# KiCad board mppt.kicad_pcb
title: Sunscatter MPPT; date: 2023-07-22; rev: v0.2.0; company: UT LHR Solar; note: Matthew Yu; note: Jacob Pustilnik; note: Gary Hallock; note: Pranav Rama
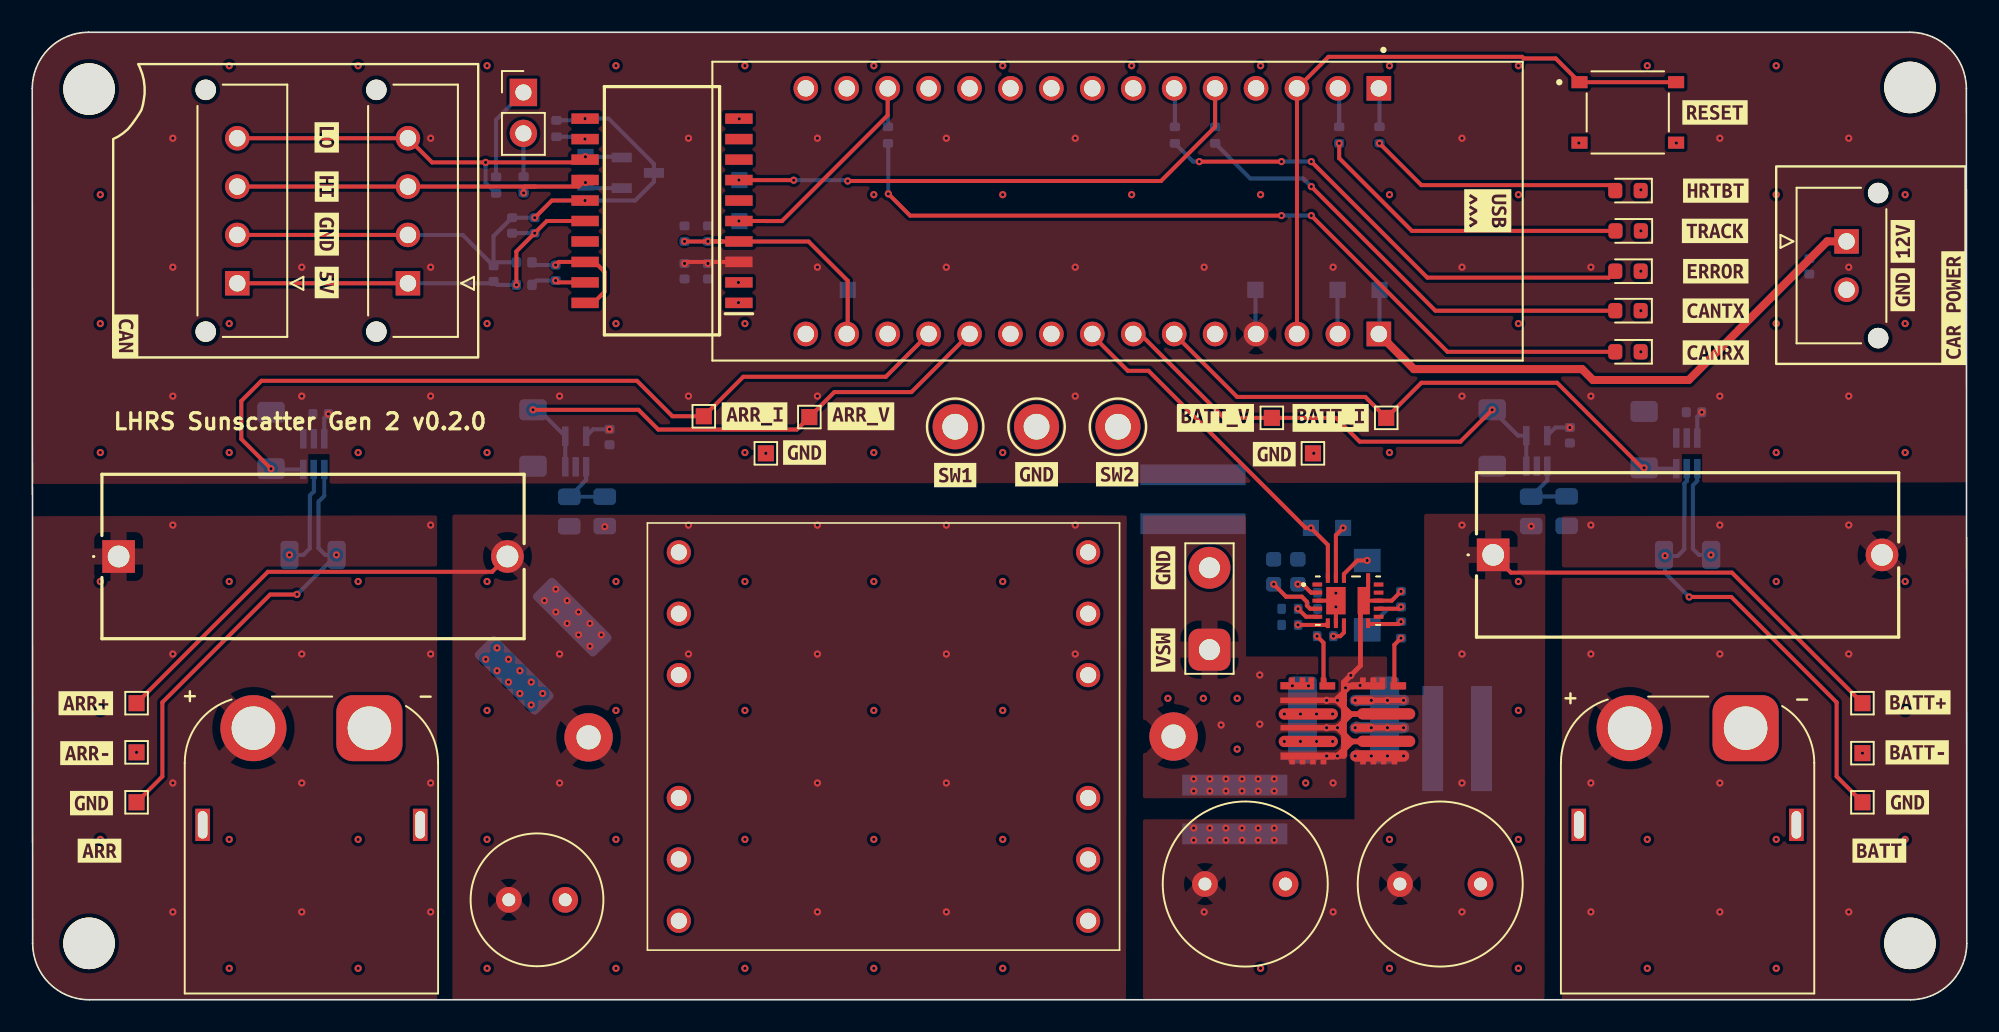
[diagram p0: board, top side]
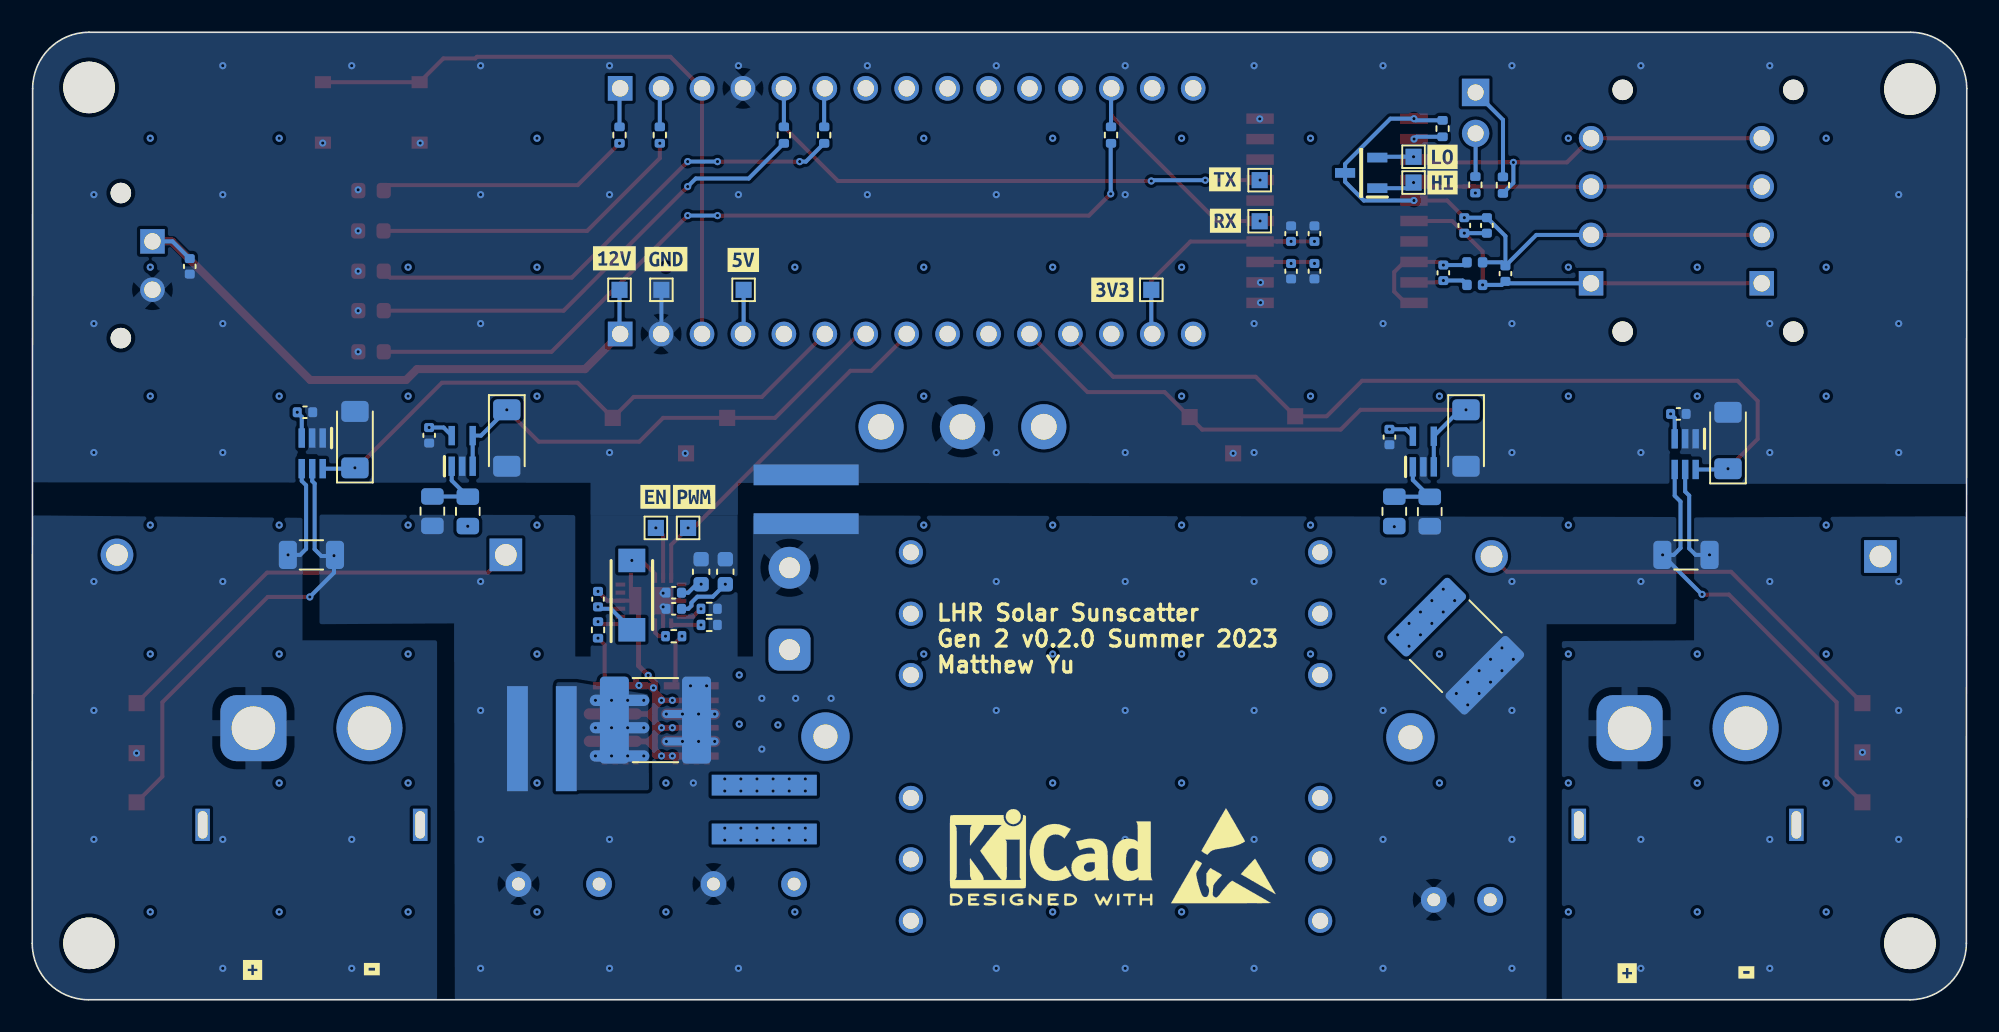
[diagram p1: board, bottom side, seen from below]

Outline 120.05 x 60.03 mm; copper layers: Top, In1.Cu, In2.Cu, Bottom. Coordinates in mm from the lower left corner of the outline.
Outline path: 0,56.53 0.03,3.5 arc(1.05,1.03) 3.53,0 116.55,0 arc(119.03,1.03) 120.05,3.5 120.03,56.53 arc(119,59) 116.53,60.03 3.5,60.03 arc(1.03,59) 0,56.53
Stack: Top 0.035mm / dielectric 0.1mm FR4 er 4.5 / In1.Cu 0.035mm / dielectric 1.24mm FR4 er 4.5 / In2.Cu 0.035mm / dielectric 0.1mm FR4 er 4.5 / Bottom 0.035mm

## Placement (name value [footprint] x y rotation side)
C201  100nF  [C_0402_1005Metric]  110.28 45.5 270 bottom
C301  2.2uF  [C_2220_5650Metric]  31.71 21.93 225 bottom
C302  15uF  [C_Radial_D8.0mm_H11.5mm_P3.50mm]  29.58 6.2 0 top
C303  2.2uF  [C_2220_5650Metric]  81.38 17.35 180 bottom
C304  18uF  [C_Radial_D10.0mm_H16.0mm_P5.00mm]  72.78 7.18 0 top
C305  18uF  [C_Radial_D10.0mm_H16.0mm_P5.00mm]  84.88 7.18 0 top
C401  100nF  [C_0402_1005Metric]  17.9 36.34 0 bottom
C402  100nF  [C_0402_1005Metric]  35.83 34.91 90 bottom
C403  100nF  [C_0402_1005Metric]  95.42 35.02 90 bottom
C404  100nF  [C_0402_1005Metric]  103.13 36.45 0 bottom
C501  10uF  [C_0603_1608Metric]  77.04 26.56 90 bottom
C502  100nF  [C_0402_1005Metric]  80.24 24.25 0 bottom
C503  10uF  [C_0603_1608Metric]  78.54 26.56 90 bottom
C504  100nF  [C_0402_1005Metric]  80.24 25.25 0 bottom
C505  1uF  [C_0402_1005Metric]  84.94 24.86 90 bottom
C601  10uF  [C_0402_1005Metric]  40.48 45.2 270 bottom
C602  100nF  [C_0402_1005Metric]  41.93 45.2 270 bottom
C603  100nF  [C_0402_1005Metric]  40.48 47.53 90 bottom
C604  10nF  [C_0402_1005Metric]  41.93 47.53 90 bottom
C605  220nF  [C_0402_1005Metric]  32.48 45.1 90 bottom
C606  10uF  [C_0402_1005Metric]  28.63 45.05 90 bottom
C607  10nF  [C_0402_1005Metric]  31.18 48.04 90 bottom
C608  100nF  [C_0402_1005Metric]  29.78 48.04 90 bottom
D201  YELLOW  [LED_0603_1608Metric]  99.03 45.2 180 top
D202  GREEN  [LED_0603_1608Metric]  99.04 47.7 180 top
D203  GREEN  [LED_0603_1608Metric]  99.03 50.2 180 top
D204  BLUE  [LED_0603_1608Metric]  99.03 42.75 180 top
D205  BLUE  [LED_0603_1608Metric]  99.03 40.2 180 top
D401  3.3V Zener  [D_MiniMELF]  14.82 34.69 90 bottom
D402  3V3  [D_MiniMELF]  31.08 34.85 270 bottom
D403  3V3  [D_MiniMELF]  90.6 34.85 270 bottom
D404  3.3V Zener  [D_MiniMELF]  100.03 34.75 90 bottom
D501  0.62V  [stm_STPS1170AF]  82.84 25.11 90 bottom
D601  CDSOT23-T24CAN  [bourns_CDSOT23_T24CAN]  37.58 51.3 0 bottom
F301  Fuse_Small  [littelfuse_05200101Z]  5.36 27.5 0 top
F302  Fuse_Small  [littelfuse_05200101Z]  90.66 27.6 0 top
H101  M3 Mounting Hole  [MountingHole_3.2mm_M3]  116.53 3.5 0 top
H102  M3 Mounting Hole  [MountingHole_3.2mm_M3]  3.53 3.5 0 top
H103  M3 Mounting Hole  [MountingHole_3.2mm_M3]  3.53 56.5 0 top
H104  M3 Mounting Hole  [MountingHole_3.2mm_M3]  116.53 56.6 0 top
IC401  INA210CQDCKRQ1  [ti_INA210CQDCKRQ1]  17.48 33.85 270 bottom
IC402  OPA990IDCKR  [ti_OPA990IDCKR]  33.73 34.01 90 bottom
IC403  OPA990IDCKR  [ti_OPA990IDCKR]  93.37 34.05 90 bottom
IC404  INA210CQDCKRQ1  [ti_INA210CQDCKRQ1]  102.68 33.9 270 bottom
IC501  LMG1210RVRT  [ti_LMG1210RVRT]  81.65 24.76 0 top
IC601  ADM3055EBRIZ  [analog_ADM3055EBRIZ]  39.08 48.95 180 top
J201  43650-0227  [molex_microfit_43650_0227]  112.59 47.05 90 top
J301  XT60PW-M  [AMASS_XT60PW-M_1x02_P7.20mm_Horizontal]  20.93 16.85 180 top
J302  XT60PW-M  [AMASS_XT60PW-M_1x02_P7.20mm_Horizontal]  106.33 16.85 180 top
J601  43650-0427  [molex_microfit_43650_0427]  12.73 44.45 270 top
J602  43650-0427  [molex_microfit_43650_0427]  23.32 44.45 270 top
JP601  Termination Resistors  [PinHeader_1x02_P2.54mm_Vertical]  30.48 56.29 0 top
kibuzzard-64BB95E9  G***  [kibuzzard-64BB95E9]  119.23 42.95 90 top
kibuzzard-64BB97BE  G***  [kibuzzard-64BB97BE]  4.18 9.25 0 top
kibuzzard-64BB97CA  G***  [kibuzzard-64BB97CA]  114.63 9.25 0 top
kibuzzard-64BB97F0  G***  [kibuzzard-64BB97F0]  21.08 1.65 180 bottom
kibuzzard-64BB97F0#2  G***  [kibuzzard-64BB97F0]  106.38 1.85 180 bottom
kibuzzard-64BB97FE  G***  [kibuzzard-64BB97FE]  98.98 1.9 180 bottom
kibuzzard-64BB97FE#2  G***  [kibuzzard-64BB97FE]  13.68 1.7 180 bottom
kibuzzard-64BB98F2  G***  [kibuzzard-64BB98F2]  3.33 18.4 0 top
kibuzzard-64BB98F8  G***  [kibuzzard-64BB98F8]  3.38 15.3 0 top
kibuzzard-64BB954F  G***  [kibuzzard-64BB954F]  104.48 42.75 0 top
kibuzzard-64BB964A  G***  [kibuzzard-64BB964A]  116.08 47.05 90 top
kibuzzard-64BB966B  G***  [kibuzzard-64BB966B]  116.08 44.05 90 top
kibuzzard-64BB968B  G***  [kibuzzard-64BB968B]  90.33 48.95 270 top
kibuzzard-64BB971E  G***  [kibuzzard-64BB971E]  5.83 41.2 270 top
kibuzzard-64BB973A  G***  [kibuzzard-64BB973A]  18.28 53.5 270 top
kibuzzard-64BB974F  G***  [kibuzzard-64BB974F]  18.28 50.45 270 top
kibuzzard-64BB975A  G***  [kibuzzard-64BB975A]  18.28 44.5 270 top
kibuzzard-64BB994C  G***  [kibuzzard-64BB994C]  117.03 18.45 0 top
kibuzzard-64BB9525  G***  [kibuzzard-64BB9525]  104.43 47.7 0 top
kibuzzard-64BB9530  G***  [kibuzzard-64BB9530]  104.48 50.2 0 top
kibuzzard-64BB9539  G***  [kibuzzard-64BB9539]  104.48 45.2 0 top
kibuzzard-64BB9548  G***  [kibuzzard-64BB9548]  104.48 40.15 0 top
kibuzzard-64BB9585  G***  [kibuzzard-64BB9585]  104.43 55.05 0 top
kibuzzard-64BB9776  G***  [kibuzzard-64BB9776]  18.28 47.5 270 top
kibuzzard-64BB9873  G***  [kibuzzard-64BB9873]  3.68 12.2 0 top
kibuzzard-64BB9873#2  G***  [kibuzzard-64BB9873]  116.38 12.25 0 top
kibuzzard-64BB9946  G***  [kibuzzard-64BB9946]  116.98 15.35 0 top
kibuzzard-64BBA6A3  G***  [kibuzzard-64BBA6A3]  51.43 36.2 0 top
kibuzzard-64BBA6B0  G***  [kibuzzard-64BBA6B0]  77.08 33.85 0 top
kibuzzard-64BBA6B0#2  G***  [kibuzzard-64BBA6B0]  47.93 33.95 0 top
kibuzzard-64BBA8A0  G***  [kibuzzard-64BBA8A0]  83.93 46 180 bottom
kibuzzard-64BBA8B2  G***  [kibuzzard-64BBA8B2]  53.03 44.05 180 bottom
kibuzzard-64BBA8C3  G***  [kibuzzard-64BBA8C3]  78.98 31.2 180 bottom
kibuzzard-64BBA8E6  G***  [kibuzzard-64BBA8E6]  81.38 31.2 180 bottom
kibuzzard-64BBA9B6  G***  [kibuzzard-64BBA9B6]  57.28 32.55 0 top
kibuzzard-64BBA9C0  G***  [kibuzzard-64BBA9C0]  62.33 32.6 0 top
kibuzzard-64BBA9D4  G***  [kibuzzard-64BBA9D4]  67.33 32.6 0 top
kibuzzard-64BBA88C  G***  [kibuzzard-64BBA88C]  75.93 45.9 180 bottom
kibuzzard-64BBA694  G***  [kibuzzard-64BBA694]  44.83 36.2 0 top
kibuzzard-64BBA752  G***  [kibuzzard-64BBA752]  73.43 36.1 0 top
kibuzzard-64BBA758  G***  [kibuzzard-64BBA758]  80.58 36.1 0 top
kibuzzard-64BBA896  G***  [kibuzzard-64BBA896]  80.73 45.95 180 bottom
kibuzzard-64BBAA49  G***  [kibuzzard-64BBAA49]  70.18 21.7 90 top
kibuzzard-64BBAA54  G***  [kibuzzard-64BBAA54]  70.18 26.8 90 top
kibuzzard-64BC07CB  G***  [kibuzzard-64BC07CB]  46.04 50.9 180 bottom
kibuzzard-64BC07D4  G***  [kibuzzard-64BC07D4]  46.01 48.33 180 bottom
kibuzzard-64BC07E0  G***  [kibuzzard-64BC07E0]  32.54 52.29 180 bottom
kibuzzard-64BC07EC  G***  [kibuzzard-64BC07EC]  32.54 50.7 180 bottom
L301  B65878E1012D001  [tdk_B65878E1012D001]  52.83 16.33 90 top
L601  1.8k  [L_0402_1005Metric]  30.53 44.35 0 bottom
L602  1.8k  [L_0402_1005Metric]  30.53 45.75 0 bottom
Q301  EPC2307  [epc_EPC2307]  79.15 17.45 0 top
Q302  EPC2307  [epc_EPC2307]  83.55 17.45 0 top
R201  100  [R_0402_1005Metric]  70.91 53.65 90 bottom
R202  100  [R_0402_1005Metric]  81.11 53.65 90 bottom
R203  100  [R_0402_1005Metric]  83.61 53.65 90 bottom
R204  100  [R_0402_1005Metric]  73.41 53.65 90 bottom
R205  100  [R_0402_1005Metric]  53.11 53.65 90 bottom
R401  100k  [R_0805_2012Metric]  35.53 30.3 270 bottom
R402  3k  [R_0805_2012Metric]  33.33 30.29 270 bottom
R403  2m  [R_1206_3216Metric]  17.43 27.6 0 bottom
R404  100k  [R_0805_2012Metric]  93.02 30.3 270 bottom
R405  2k  [R_0805_2012Metric]  95.22 30.31 270 bottom
R406  2m  [R_1206_3216Metric]  102.73 27.6 0 bottom
R501  20k  [R_0402_1005Metric]  78.04 24.25 180 bottom
R502  1.8  [R_0402_1005Metric]  80.24 22.56 0 bottom
R503  20k  [R_0402_1005Metric]  78.04 23.25 0 bottom
R504  1.8  [R_0402_1005Metric]  84.94 22.94 90 bottom
R601  0  [R_0402_1005Metric]  32.53 54.05 90 bottom
R602  60.4  [R_0402_1005Metric]  30.5 50.56 270 bottom
R603  60.4  [R_0402_1005Metric]  28.79 50.54 270 bottom
REF**  -  [ESD-Logo_6.6x6mm_SilkScreen]  46.13 8.95 180 bottom
REF**#2  -  [KiCad-Logo2_5mm_SilkScreen]  56.83 8.85 180 bottom
S201  TS-1187A-B-A-B  [xkb_TS_1187A_B_A_B]  99.01 55.05 0 top
TJ101  Thermal Jumper  [vishay_THJP1225ABT1]  74.63 11.8 270 bottom
TJ102  Thermal Jumper  [vishay_THJP1225ABT1]  88.43 16.2 180 bottom
TJ103  Thermal Jumper  [vishay_THJP1225ABT1]  72.03 31.05 90 bottom
TP201  3V3 TP  [TestPoint_Pad_1.0x1.0mm]  50.61 44.05 270 bottom
TP202  5V TP  [TestPoint_Pad_1.0x1.0mm]  75.91 44.05 270 bottom
TP203  GND TP  [TestPoint_Pad_1.0x1.0mm]  81.01 44.05 270 bottom
TP204  12V TP  [TestPoint_Pad_1.0x1.0mm]  83.61 44.05 270 bottom
TP301  VSW_TP  [TestPoint_2Pads_Pitch5.08mm_Drill1.3mm]  73.06 21.72 90 top
TP401  +ARR_TP  [TestPoint_Pad_1.0x1.0mm]  6.48 18.4 0 top
TP402  GND_TP  [TestPoint_Pad_1.0x1.0mm]  6.48 12.25 0 top
TP403  GND_TP  [TestPoint_Pad_1.0x1.0mm]  45.53 33.9 0 top
TP404  -ARR_TP  [TestPoint_Pad_1.0x1.0mm]  6.48 15.35 0 top
TP405  ARRI_TP  [TestPoint_Pad_1.0x1.0mm]  41.68 36.2 0 top
TP406  ARRV_TP  [TestPoint_Pad_1.0x1.0mm]  48.23 36.15 0 top
TP407  +BATT_TP  [TestPoint_Pad_1.0x1.0mm]  113.58 18.4 0 top
TP408  GND_TP  [TestPoint_Pad_1.0x1.0mm]  113.58 12.25 0 top
TP409  -BATT_TP  [TestPoint_Pad_1.0x1.0mm]  113.58 15.3 0 top
TP410  GND_TP  [TestPoint_Pad_1.0x1.0mm]  79.48 33.9 0 top
TP411  BATTV_TP  [TestPoint_Pad_1.0x1.0mm]  76.93 36.1 0 top
TP412  BATTI_TP  [TestPoint_Pad_1.0x1.0mm]  84.03 36.1 0 top
TP501  SW1_TP  [TestPoint_Keystone_5005-5009_Compact]  57.28 35.55 90 top
TP502  GND_TP  [TestPoint_Keystone_5005-5009_Compact]  62.33 35.55 90 top
TP503  SW2_TP  [TestPoint_Keystone_5005-5009_Compact]  67.38 35.55 90 top
TP504  PWMEN_TP  [TestPoint_Pad_1.0x1.0mm]  81.35 29.27 180 bottom
TP505  PWM_TP  [TestPoint_Pad_1.0x1.0mm]  79.35 29.27 180 bottom
TP601  CAN RX TP  [TestPoint_Pad_1.0x1.0mm]  43.88 48.3 180 bottom
TP602  CAN TX TP  [TestPoint_Pad_1.0x1.0mm]  43.88 50.85 180 bottom
TP603  CAN L TP  [TestPoint_Pad_1.0x1.0mm]  34.33 52.3 180 bottom
TP604  CAN H TP  [TestPoint_Pad_1.0x1.0mm]  34.33 50.7 180 bottom
U201  NUCLEO-L432KC  [stm_nucleo_L432KC]  67.35 48.92 270 top

## Library data of the parts
C201 C401-C404 C502 C504 C602 C603 C608 = -: Description: Unpolarized capacitor, small symbol; Cost: 0.0063; Distributor: JLCPCB; LCSC Part #: CL05B104KB54PNC; Manufacturer: Samsung Electro-Mechanics; Notes: Rated for 50V.; P/N: CL05B104KB54PNC
C301 C303 = -: Description: Unpolarized capacitor; Cost: 3.26; Distributor: Mouser; Manufacturer: TDK; P/N: 810-CGA9P3X7T2E225MA
C302 = -: Description: Unpolarized capacitor; Cost: 1.71; Distributor: Mouser; Manufacturer: KEMET; P/N: 80-A759KS156M2AAAE52
C304 C305 = -: Description: Unpolarized capacitor; Cost: 2.58; Distributor: Mouser; Manufacturer: KEMET; P/N: 80-A759MS186M2CAAE90
C501 C503 = -: Description: Unpolarized capacitor, small symbol; Cost: 0.0234; Distributor: JLCPCB; LCSC Part #: C96446; Manufacturer: Samsung Electro-Mechanics; P/N: CL10A106MA8NRNC
C505 = -: Description: Unpolarized capacitor, small symbol; Cost: 0.0039; Distributor: JLCPCB; LCSC Part #: C52923; Manufacturer: Samsung Electro-Mechanics; P/N: CL05A105KA5NQNC
C601 C606 = -: Description: Unpolarized capacitor, small symbol; Cost: 0.0047; Distributor: JLCPCB; LCSC Part #: C15525; Manufacturer: Samsung Electro-Mechanics; Notes: Rated for 6.3V.; P/N: CL05A106MQ5NUNC
C604 C607 = -: Description: Unpolarized capacitor, small symbol; Cost: 0.0011; Distributor: JLCPCB; LCSC Part #: C15195; Manufacturer: Samsung Electro-Mechanics; Notes: Rated for 50V.; P/N: CL05B103KB5NNNC
C605 = -: Description: Unpolarized capacitor, small symbol; Cost: 0.0048; Distributor: JLCPCB; LCSC Part #: C16772; Manufacturer: Samsung Electro-Mechanics; Notes: Rated for 16V.; P/N: CL05B224KO5NNNC
D201 = -: Description: Light emitting diode; Cost: 0.0206; Distributor: JLCPCB; LCSC Part #: C72038; Manufacturer: Everlight Elec; P/N: 19-213/Y2C-CQ2R2L/3T(CY)
D202 D203 = -: Description: Light emitting diode; Cost: 0.0248; Distributor: JLCPCB; LCSC Part #: C72043; Manufacturer: Everlight Elec; P/N: 19-217/GHC-YR1S2/3T
D204 D205 = -: Description: Light emitting diode; Cost: 0.0169; Distributor: JLCPCB; LCSC Part #: C72041; Manufacturer: Everlight Elec; P/N: 19-217/BHC-ZL1M2RY/3T
D401-D404 = -: Description: Zener diode, small symbol; Cost: 0.0106; Distributor: JLCPCB; LCSC Part #: C8056; Manufacturer: ST(Semtech); P/N: ZMM3V3-M
D501 = -: Description: Schottky diode; Cost: 0.42; Distributor: Mouser; Manufacturer: STMicroelectronics; P/N: 511-STPS1170AF
D601 = -: Description: Bourns CDSOT23-T24CAN, Dual Bi-Directional ESD Protection Diode, 3-Pin SOT-23; Cost: 0.1982; Distributor: JLCPCB; LCSC Part #: C350941; Manufacturer: Bourns; P/N: CDSOT23-T24CAN-Q
F301 F302 = -: Description: Fuse; Cost: 1.29; Distributor: Mouser; Manufacturer: Littelfuse; P/N: 576-05200101Z
H101-H104 = -: Description: Mounting Hole without connection
IC401 IC404 = -: Description: Automotive, 26-V, Bi-Directional, Zero-Drift, Precision, Low-/High-Side, Volt. Out Current Sense Amp; Cost: 1.020; Distributor: Texas Instruments; Manufacturer: Texas Instruments
IC402 IC403 = -: Description: Texas Instruments; Cost: 0.865; Distributor: Texas Instruments; Manufacturer: Texas Instruments
IC501 = -: Description: 200V, 1.5A/3A Half bridge MOSFET and GaN FET driver with adjustable dead-time; Cost: 4.077; Distributor: Texas Instruments; Manufacturer: Texas Instruments; Notes: Also order on Digikey or Mouser. Out of stock until Sept 2023.
IC601 = -: Description: CAN Interface IC 5kV isoPower Isoltd CAN-FD Transceiver; Cost: 8.8244; Distributor: JLCPCB; LCSC Part #: C658105; Manufacturer: Analog Devices; P/N: ADM3055EBRIZ-RL
J201 = -: Description: Headers & Wire Housings MICRO-FIT 3.0 HEADER; Cost: 0.88; Distributor: Mouser; Manufacturer: Molex
J301 J302 = -: Description: Socket; DC supply; XT60; male; PIN: 2; on PCBs; THT; Colour: yellow; Cost: 0.3845; Distributor: JLCPCB; LCSC Part #: C98732; Manufacturer: AMASS; Notes: Also available from TME.
J601 J602 = -: Description: Headers & Wire Housings MicroFit 3.0 SR V TH Peg Tin 4Ckt; Cost: 1.41; Distributor: Mouser; Manufacturer: Molex
JP601 = -: Description: Jumper, 2-pole, open
L301 = -: Description: Ferrite Accessories, PQ Cores Accessories, Coil former (PQ 26/25); Cost: 1.29; Distributor: Mouser; Manufacturer: EPCOS/TDK
L601 L602 = -: Description: Ferrite bead, small symbol; Cost: 0.0155; Distributor: JLCPCB; LCSC Part #: C2683172; Manufacturer: TDK; P/N: MMZ1005Y182CT000
Q301 Q302 = -: Description: N-MOSFET transistor, gate/drain/source; Cost: 6.25; Distributor: Digikey; Manufacturer: EPC; P/N: 917-EPC2307ENGRTTR-ND
R201-R205 = -: Description: Resistor; Cost: 0.0004; Distributor: JLCPCB; LCSC Part #: C25076; Manufacturer: Uniroyal Elec; P/N: 0402WGF1000TCE
R401 R404 = -: Description: Resistor; Cost: 0.0017; Distributor: JLCPCB; LCSC Part #: C149504; Manufacturer: Uniroyal Elec; P/N: 0805W8F1003T5E
R402 = -: Description: Resistor; Cost: 0.0018; Distributor: JLCPCB; LCSC Part #: C17661; Manufacturer: Uniroyal Elec; P/N: 0805W8F3001T5E
R403 R406 = -: Description: Resistor; Cost: 0.73; Distributor: Mouser; Manufacturer: ROHM Semiconductor; P/N: 755-PMR18EZPFV2L00
R405 = -: Description: Resistor; Cost: 0.0018; Distributor: JLCPCB; LCSC Part #: C17604; Manufacturer: Uniroyal Elec; P/N: 0805W8F2001T5E
R501 R503 = -: Description: Resistor, small symbol; Cost: 0.0005; Distributor: JLCPCB; LCSC Part #: C25765; Manufacturer: Uniroyal Elec; P/N: 0402WGF2002TCE
R502 R504 = -: Description: Resistor, small symbol; Cost: 0.0009; Distributor: JLCPCB; LCSC Part #: C423254; Manufacturer: Uniroyal Elec; P/N: 0402WGF118KTCE
R601 = -: Description: Resistor; Cost: 0.0005; Distributor: JLCPCB; LCSC Part #: C17168; Manufacturer: UNI-ROYAL(Uniroyal Elec); P/N: 0402WGF0000TCE
R602 R603 = -: Description: Resistor; Cost: 0.0005; Distributor: JLCPCB; LCSC Part #: C60310; Manufacturer: UNI-ROYAL(Uniroyal Elec); Notes: Sub for 60 Ohm. Should be within tolerance.; P/N: 0402WGF604JTCE
S201 = -: Cost: 0.0143; Distributor: JLCPCB; LCSC Part #: C318884; Manufacturer: XKB Connectivity
TJ101-TJ103 = -: Description: Solder Jumper, 2-pole, closed/bridged; Cost: 2.03; Distributor: Mouser; Manufacturer: Vishay/Thin Film; P/N: THJP1225ABT1
TP201-TP204 TP401-TP412 TP501-TP505 TP601-TP604 = -: Description: test point
TP301 = -: Description: 2-polar test point
U201 = -: Description: ARM STM32 Nucleo-32 dev board; Cost: 11.33; Distributor: Mouser; Manufacturer: STMicroelectronics

## Footprints (pads in the part's own frame, mm; a bottom-side part is the same pattern mirrored in y, then rotated)
AMASS_XT60PW-M_1x02_P7.20mm_Horizontal
  rect 0.9x2 hole 0.6x1.7: (-3.15,6) (10.35,6)
  rrect 4.1x4.1 hole 2.7: 1(0,0)
  round 4.1 hole 2.7: 2(7.2,0)
analog_ADM3055EBRIZ
  rect 1.7x0.65 smd: 1(-4.775,5.715) 2(-4.775,4.445) 3(-4.775,3.175) 4(-4.775,1.905) 5(-4.775,0.635) 6(-4.775,-0.635) 7(-4.775,-1.905) 8(-4.775,-3.175) 9(-4.775,-4.445) 10(-4.775,-5.715) 11(4.775,-5.715) 12(4.775,-4.445) 13(4.775,-3.175) 14(4.775,-1.905) 15(4.775,-0.635) 16(4.775,0.635) 17(4.775,1.905) 18(4.775,3.175) 19(4.775,4.445) 20(4.775,5.715)
bourns_CDSOT23_T24CAN
  rect 1.25x0.6 smd: 1(-1,0.95) 2(-1,-0.95) 3(1,0)
C_0402_1005Metric
  rrect 0.56x0.62 smd: 1(-0.48,0) 2(0.48,0)
C_0603_1608Metric
  rrect 0.9x0.95 smd: 1(-0.775,0) 2(0.775,0)
C_2220_5650Metric
  rrect 1.8x5.4 smd: 1(-2.55,0) 2(2.55,0)
C_Radial_D8.0mm_H11.5mm_P3.50mm
  round 1.6 hole 0.8: 1(0,0) 2(3.5,0)
C_Radial_D10.0mm_H16.0mm_P5.00mm
  round 1.6 hole 0.8: 1(0,0) 2(5,0)
D_MiniMELF
  rrect 1.3x1.7 smd: 1(-1.75,0) 2(1.75,0)
epc_EPC2307
  rrect 0.35x0.3 smd: 1(0.981,2.4) 2(-0.964,-2.7) 2(-0.324,-2.7) 2(0.326,-2.7) 2(0.981,-2.7) 3(-0.974,2.4) 3(-0.324,2.4) 3(0.231,2.4)
  rrect 0.975x0.45 smd: 1(1.221,2.025)
  rrect 3.4x0.35 smd: 2(0.001,1.125) 2(0.006,-0.575) 3(0.001,0.275) 3(0.001,-1.425)
  rrect 3.4x0.45 smd: 2(0.006,-2.33)
  rrect 2.1x0.45 smd: 3(-0.644,2.03)
L_0402_1005Metric
  rrect 0.59x0.64 smd: 1(-0.485,0) 2(0.485,0)
LED_0603_1608Metric
  rrect 0.875x0.95 smd: 1(-0.787,0) 2(0.787,0)
littelfuse_05200101Z
  rect 2.025x2.025 hole 1.35: 1(0,0)
  round 2.025 hole 1.35: 2(24.13,0)
molex_microfit_43650_0227
  round 1.27 hole 1.27 unplated: (-6,-1.96) (3,-1.96)
  rect 1.52x1.52 hole 1.02: 1(0,0)
  round 1.52 hole 1.02: 2(-3,0)
molex_microfit_43650_0427
  round 1.27 hole 1.27 unplated: (-12,-1.96) (3,-1.96)
  rect 1.52x1.52 hole 1.02: 1(0,0)
  round 1.52 hole 1.02: 2(-3,0) 3(-6,0) 4(-9,0)
MountingHole_3.2mm_M3
  round 3.2 hole 3.2 unplated: (0,0)
PinHeader_1x02_P2.54mm_Vertical
  rect 1.7x1.7 hole 1: 1(0,0)
  oval 1.7x1.7 hole 1: 2(0,-2.54)
R_0402_1005Metric
  rrect 0.54x0.64 smd: 1(-0.51,0) 2(0.51,0)
R_0805_2012Metric
  rrect 1.025x1.4 smd: 1(-0.912,0) 2(0.912,0)
R_1206_3216Metric
  rrect 1.125x1.75 smd: 1(-1.462,0) 2(1.462,0)
stm_nucleo_L432KC
  rect 1.53x1.53 hole 1.02: 1(-7.62,16.215) 30(7.62,16.215)
  round 1.53 hole 1.02: 2(-7.62,13.675) 3(-7.62,11.135) 4(-7.62,8.595) 5(-7.62,6.055) 6(-7.62,3.515) 7(-7.62,0.975) 8(-7.62,-1.565) 9(-7.62,-4.105) 10(-7.62,-6.645) 11(-7.62,-9.185) 12(-7.62,-11.725) 13(-7.62,-14.265) 14(-7.62,-16.805) 15(-7.62,-19.345) 16(7.62,-19.345) 17(7.62,-16.805) 18(7.62,-14.265) 19(7.62,-11.725) 20(7.62,-9.185) 21(7.62,-6.645) 22(7.62,-4.105) 23(7.62,-1.565) 24(7.62,0.975) 25(7.62,3.515) 26(7.62,6.055) 27(7.62,8.595) 28(7.62,11.135) 29(7.62,13.675)
stm_STPS1170AF
  rect 1.46x1.67 smd: 1(-2.15,0) 2(2.15,0)
tdk_B65878E1012D001
  round 1.5 hole 1: 1(-11.43,-12.7) 2(-7.62,-12.7) 3(-3.81,-12.7) 4(3.81,-12.7) 5(7.62,-12.7) 6(11.43,-12.7) 7(11.43,12.7) 8(7.62,12.7) 9(3.81,12.7) 10(-3.81,12.7) 11(-7.62,12.7) 12(-11.43,12.7)
  round 3 hole 1.5: A(-0.05,18.3) B(0,-18)
TestPoint_2Pads_Pitch5.08mm_Drill1.3mm
  rrect 2.6x2.6 hole 1.3: 1(0,0)
  round 2.6 hole 1.3: 2(5.08,0)
TestPoint_Keystone_5005-5009_Compact
  round 2.8 hole 1.6: 1(0,0)
TestPoint_Pad_1.0x1.0mm
  rect 1x1 smd: 1(0,0)
ti_INA210CQDCKRQ1
  rect 1.2x0.4 smd: 1(-0.95,0.65) 2(-0.95,0) 3(-0.95,-0.65) 4(0.95,-0.65) 5(0.95,0) 6(0.95,0.65)
ti_LMG1210RVRT
  rect 0.6x0.25 smd: 1(-1.9,1) 2(-1.9,0.5) 3(-1.9,0) 4(-1.9,-0.5) 5(-1.9,-1) 11(1.9,-1) 12(1.9,-0.5) 13(1.9,0) 14(1.9,0.5) 15(1.9,1)
  rect 0.25x0.6 smd: 6(-1.25,-1.4) 7(-0.75,-1.4) 8(-0.25,-1.4) 9(0.75,-1.4) 10(1.25,-1.4) 16(1.25,1.4) 17(-0.25,1.4) 18(-0.75,1.4) 19(-1.25,1.4)
  rect 1.2x1.7 smd: 20(-0.75,0)
  rect 0.75x1.7 smd: 21(0.975,0)
ti_OPA990IDCKR
  rect 1.2x0.4 smd: 1(-0.95,0.65) 2(-0.95,0) 3(-0.95,-0.65) 4(0.95,-0.65) 5(0.95,0.65)
vishay_THJP1225ABT1
  rect 1.29x6.52 smd: 1(-1.515,0) 2(1.515,0)
xkb_TS_1187A_B_A_B
  rect 1x0.75 smd: A(-3,1.875) B(3,1.875) C(-3,-1.875) D(3,-1.875)

## Nets
+3V3: C603.1 C604.1 IC601.4 TP201.1 U201.17
+5V: C401.2 C402.2 C403.2 C404.2 C501.1 C502.1 C601.1 C602.1 IC401.3 IC402.5 IC403.5 IC404.3 IC501.4 IC601.3 TP202.1 U201.27
+12V: C201.1 C503.1 C504.1 IC501.2 J201.1 TP204.1 U201.30
GND: C201.2 C301.2 C302.2 C303.2 C304.2 C305.2 C401.1 C402.1 C403.1 C404.1 C501.2 C502.2 C503.2 C504.2 C601.2 C602.2 C603.2 C604.2 D201.1 D202.1 D203.1 D204.1 D205.1 D401.2 D402.2 D403.2 D404.2 IC401.1 IC401.2 IC401.4 IC402.2 IC403.2 IC404.1 IC404.2 IC404.5 IC501.3 IC501.7 IC501.20 IC601.1 IC601.2 IC601.10 J201.2 Q301.3 R402.2 R403.2 R405.2 R406.1 R501.2 R503.1 S201.C S201.D TJ102.1 TJ103.1 TJ103.2 TP203.1 TP301.2 TP402.1 TP403.1 TP408.1 TP410.1 TP502.1 U201.4 U201.29
/CAN_RX: IC601.5 R205.2 TP601.1 U201.13
/CAN_TX: IC601.7 R204.2 TP602.1 U201.5
/comm_can/CAN_H: D601.1 IC601.14 J601.3 J602.3 R602.2 TP604.1
/comm_can/CAN_L: D601.2 IC601.13 J601.4 J602.4 R603.2 TP603.1
/controller/ARR_I: D401.1 IC401.6 TP405.1 U201.19
/controller/ARR_V: D402.1 IC402.3 IC402.4 TP406.1 U201.20
/controller/BATT_I: D404.1 IC404.6 TP412.1 U201.25
/controller/BATT_V: D403.1 IC403.3 IC403.4 TP411.1 U201.24
/controller/Error: R201.2 U201.6
/controller/Heartbeat: R203.2 U201.1
/controller/PWM: IC501.19 TP505.1 U201.23
/controller/PWM_EN: IC501.18 TP504.1 U201.22
/controller/Reset: S201.A S201.B U201.3 U201.28
/controller/Tracking: R202.2 U201.2
/converter/G1: Q301.1 R502.1 TP501.1
/converter/G2: Q302.1 R504.1 TP503.1
/converter/V_ARR-: IC401.5 J301.1 R403.1 TP404.1
/converter/V_BATT-: IC404.4 J302.1 R406.2 TP409.1
/V_ARR+: C301.1 C302.1 F301.2 L301.A R401.2 TP401.1
/V_BATT+: C303.1 C304.1 C305.1 F302.1 Q302.2 R404.2 TJ101.2 TJ102.2 TP407.1
/V_SW: C505.2 IC501.9 IC501.13 IC501.16 IC501.21 L301.B Q301.2 Q302.3 TJ101.1 TP301.1
Net-(D201-A): D201.2 R201.1
Net-(D202-A): D202.2 R202.1
Net-(D203-A): D203.2 R203.1
Net-(D204-A): D204.2 R204.1
Net-(D205-A): D205.2 R205.1
Net-(D501-A): D501.2 IC501.17
Net-(D501-K): C505.1 D501.1 IC501.12
Net-(D601-K3): C606.2 C607.2 C608.2 D601.3 IC601.11 IC601.15 J601.2 J602.2 L602.1 R601.2
Net-(F301-Pad1): F301.1 J301.2
Net-(F302-Pad2): F302.2 J302.2
Net-(IC402-IN+): IC402.1 R401.1 R402.1
Net-(IC403-IN+): IC403.1 R404.1 R405.1
Net-(IC501-DHL): IC501.5 R501.1
Net-(IC501-DLH): IC501.6 R503.2
Net-(IC501-HO): IC501.10 R504.2
Net-(IC501-LO): IC501.8 R502.2
Net-(IC601-GNDISO_1): C605.2 IC601.18 IC601.20 L602.2
Net-(IC601-RS): IC601.12 R601.1
Net-(IC601-VISOIN): C606.1 C607.1 C608.1 IC601.16 J601.1 J602.1 L601.1
Net-(IC601-VISOOUT): C605.1 IC601.19 L601.2
Net-(JP601-A): JP601.1 R603.1
Net-(JP601-B): JP601.2 R602.1

Pads without a net: IC501 1 11 14 15; IC601 6 8 9 17; L301 1 2 3 4 5 6 7 8 9 10 11 12; U201 7 8 9 10 11 12 14 15 16 18 21 26

## Via types
v1: diameter 0.45, hole 0.2, Top to Bottom, 315 vias

## Routing (per net, layer and track width the routed paths; a pad name or vN(x,y) marks a point on that pad's centre or on a via; arc(x,y) is an arc through that point)
+3V3: length 18.1
  Top w0.25: U201.17 50.61,41.37 50.61,44.61 48.18,47.04 43.88,47.04 ; v1(40.48,47.05) 40.49,47.05 42.83,47.05 ; 42.83,47.05 IC601.4 ; 42.83,47.05 41.94,47.05 v1(41.93,47.05)
  Bottom w0.25: TP201.1 50.61,41.37 U201.17
+5V: length 36.5
  Top w0.25: v1(77.04,25.78) 77.82,25 78.79,25 79.1,24.69 79.1,24.45 79.3,24.26 IC501.4 ; IC601.3 42.68,45.77 ; 42.68,45.77 40.58,45.77 v1(40.48,45.68) ; 42.68,45.77 42.03,45.77 v1(41.93,45.68)
  In2.Cu w0.5: v1(77.04,25.78) 77.04,40.21 U201.27
  Bottom w0.25: IC402.5 34.81,35.39 v1(35.83,35.39) ; v1(95.42,35.5) 94.52,35.5 IC403.5 ; TP202.1 75.91,41.34 U201.27 ; v1(18.38,36.34) 18.13,36.09 IC401.3 ; v1(77.04,25.78) 77.82,25 78.77,25 79.15,24.63 79.15,24.45 79.34,24.25 C502.1 ; IC404.3 103.33,36.17 v1(103.61,36.45)
  vias: v1(8.73,53.45) v1(8.73,45.45) v1(8.73,37.45) v1(16.73,45.45) v1(16.73,37.45) v1(24.73,53.45) v1(24.73,45.45) v1(24.73,37.45) v1(32.73,37.45) v1(40.73,53.45) v1(40.73,37.45) v1(48.73,53.45) v1(48.73,45.45) v1(48.73,37.45) v1(56.73,53.45) v1(56.73,45.45) v1(64.73,53.45) v1(64.73,45.45) v1(64.73,37.45) v1(72.73,45.45) v1(80.73,45.45) v1(88.73,53.45) v1(88.73,45.45) v1(88.73,37.45) v1(96.73,45.45) v1(96.73,37.45) v1(104.73,53.45) v1(104.73,37.45) v1(112.73,53.45) v1(112.73,45.45) v1(112.73,37.45)
+12V: length 59.8
  Top w0.25: IC501.2 79.36,25.26 78.84,25.78 v1(78.54,25.78)
  Top w0.5: U201.30 85.75,39.12 96.18,39.12 96.85,38.45 102.8,38.45 111.4,47.05 J201.1
  In2.Cu w0.5: v1(78.54,25.78) 78.54,36.28 U201.30
  Bottom w0.25: J201.1 111.35,47.05 C201.1 ; TP204.1 83.61,41.34 U201.30 ; v1(78.54,25.78) 78.82,25.78 79.34,25.25 C504.1
GND: length 76.9
  Top w0.25: v1(95.98,53.15) 96,53.17 S201.C ; v1(102.83,24.99) 105.44,24.99 111.98,18.45 111.98,13.85 TP408.1 ; S201.D 102.01,53.16 v1(102.03,53.15) ; v1(99.83,50.25) 99.81,50.24 D203.1 ; D204.1 v1(99.83,42.75) ; TP402.1 8.08,13.85 8.08,18.45 14.76,25.14 16.43,25.14 ; v1(43.83,43.25) 43.84,43.23 IC601.1 ; IC601.2 43.83,44.51 v1(43.83,44.5) ; TP410.1 v1(79.53,33.9) ; D205.1 v1(99.83,40.2) ; 43.86,54.66 43.86,54.66 v1(43.88,54.65) ; IC501.3 IC501.20 v1(80.9,24.38) IC501.7 ; D201.1 v1(99.83,45.2)
  Top w0.7: v1(77.7,16.03) 80.68,16.03 ; v1(77.7,17.73) 80.68,17.73
  In1.Cu w0.5: v1(78.2,19.48) v1(79.2,19.48)
  In2.Cu w0.5: v1(79.7,17.73) v1(80.7,17.73) ; v1(79.7,16.03) v1(80.7,16.03)
  Bottom w0.25: v1(16.43,25.15) 16.44,25.15 18.88,27.59 v1(18.88,27.6) R403.2 18.19,27.6 17.77,28.02 17.77,30.91 18.13,31.27 IC401.4 ; IC404.5 102.68,32.17 102.53,32.03 102.53,27.95 102.11,27.53 101.33,27.53 R406.1 v1(101.33,27.55) 101.33,26.49 v1(102.83,24.99) ; U201.29 81.01,41.33 TP203.1
  Bottom w0.5: v1(77.7,17.73) v1(80.7,17.73) ; v1(77.7,16.03) v1(80.7,16.03)
  vias: v1(4.23,49.95) v1(4.23,41.95) v1(4.23,33.95) v1(12.23,57.95) v1(12.23,41.95) v1(12.23,33.95) v1(20.23,57.95) v1(20.23,33.95) v1(20.23,25.95) v1(28.14,21.12) v1(28.23,57.95) v1(28.23,41.95) v1(28.23,33.95) v1(28.23,25.95) v1(28.23,17.95) v1(28.23,9.95) v1(28.23,1.95) v1(28.85,21.83) v1(28.85,20.41) v1(29.55,21.12) v1(29.55,19.71) v1(30.26,20.41) v1(30.26,19) v1(30.97,19.71) v1(30.97,18.29) v1(31.68,19) v1(36.23,57.95) v1(36.23,41.95) v1(36.23,25.95) v1(36.23,17.95) v1(36.23,9.95) v1(36.23,1.95) v1(44.23,57.95) v1(44.23,41.95) v1(44.23,33.95) v1(44.23,25.95) v1(44.23,17.95) v1(44.23,9.95) v1(44.23,1.95) v1(45.53,33.9) v1(52.23,57.95) v1(52.23,49.95) v1(52.23,33.95) v1(52.23,25.95) v1(52.23,17.95) v1(52.23,9.95) v1(52.23,1.95) v1(60.23,57.95) v1(60.23,49.95) v1(60.23,33.95) v1(60.23,25.95) v1(60.23,17.95) v1(60.23,9.95) v1(60.23,1.95) v1(68.23,57.95) v1(68.23,49.95) v1(70.48,18.7) v1(72.68,18.7) v1(74.78,18.7) v1(74.78,15.55) v1(76.23,57.95) v1(76.23,49.95) v1(76.23,1.95) v1(78.7,17.73) v1(78.7,16.03) v1(79.03,13.45) v1(80.9,25.22) v1(84.23,57.95) v1(84.23,49.95) v1(84.23,33.95) v1(84.23,9.95) v1(84.23,1.95) v1(92.23,57.95) v1(92.23,49.95) v1(92.23,41.95) v1(92.23,25.95) v1(92.23,17.95) v1(92.23,9.95) v1(92.23,1.95) v1(99.83,47.7) v1(100.23,57.95) v1(108.23,57.95) v1(108.23,49.95) v1(108.23,41.95) v1(108.23,33.95) v1(116.23,49.95) v1(116.23,41.95) v1(116.23,33.95)
/CAN_RX: length 16
  Top w0.25: 45.47,48.31 v1(43.86,48.31) ; U201.13 53.09,54.87 46.53,48.31 45.5,48.31
  Bottom w0.25: TP601.1 43.87,48.3 v1(43.86,48.31) ; U201.13 53.11,56.52 R205.2
/CAN_TX: length 35.7
  Top w0.25: TP602.1 47.25,50.85 v1(47.26,50.84) ; U201.5 R204.2 70.05,50.8 v1(50.61,50.8)
  Bottom w0.25: R204.2 U201.5 ; v1(43.86,50.85) 43.86,50.85 TP602.1 ; v1(50.61,50.8) 50.56,50.84 v1(47.26,50.84)
/comm_can/CAN_H: length 25.4
  Top w0.25: 31.23,50.45 33.9,50.45 IC601.14 34.31,50.73 v1(34.33,50.7) ; 31.23,50.45 30.54,50.45 30.5,50.41 v1(30.5,50.05) ; 31.23,50.45 J602.3 J601.3
  Bottom w0.25: D601.1 34.68,50.35 v1(34.33,50.7)
/comm_can/CAN_L: length 26.9
  Top w0.25: v1(34.33,52.3) 34.31,52.27 IC601.13 34.13,51.95 v1(28.14,51.95) 24.82,51.95 J602.4 J601.4
  Bottom w0.25: R603.2 28.14,50.68 v1(28.14,51.95) ; v1(34.33,52.3) 36.53,52.3 D601.2
/controller/ARR_I: length 53.2
  Top w0.25: U201.19 52.97,38.65 44.13,38.65 TP405.1 39.73,36.2 37.53,38.4 14.23,38.4 12.98,37.15 12.98,34.79 v1(14.82,32.94)
  Bottom w0.25: IC401.6 14.86,32.9 v1(14.82,32.94)
/controller/ARR_V: length 34.6
  Top w0.25: v1(31.08,36.6) 37.63,36.6 38.85,35.38 47.45,35.38 TP406.1 49.78,37.7 54.56,37.7 U201.20
  Bottom w0.25: v1(31.08,36.6) 31.44,36.6 IC402.4 IC402.3
/controller/BATT_I: length 36.4
  Top w0.25: v1(100.03,33) 99.91,33 94.63,38.28 86.21,38.28 TP412.1 82.73,37.4 74.77,37.4 U201.25
  Bottom w0.25: IC404.6 100.08,32.95 v1(100.03,33)
/controller/BATT_V: length 30.5
  Top w0.25: v1(90.6,36.6) 88.63,34.62 82.38,34.62 80.9,36.1 TP411.1 73.96,36.1 68.75,41.3 U201.24
  Bottom w0.25: v1(90.6,36.6) 92.2,35 IC403.4 IC403.3
/controller/Error: length 2.4
  Bottom w0.25: R201.2 70.91,56.51 U201.6
/controller/Heartbeat: length 2.4
  Bottom w0.25: U201.1 83.61,56.51 R203.2
/controller/PWM: length 22.1
  Top w0.25: U201.23 65.79,41.22 67.99,39.02 69.28,39.02 79.02,29.27 v1(79.35,29.27) 80.4,28.22 IC501.19
/controller/PWM_EN: length 26.4
  Top w0.25: IC501.18 80.9,28.82 v1(81.35,29.27)
  In1.Cu w0.25: U201.22 64.9,39.65 70.97,39.65 v1(81.35,29.27)
/controller/Reset: length 40.2
  Top w0.25: S201.B S201.A 94.54,58.4 92.55,58.4 92.45,58.5 80.44,58.5 U201.3 U201.28
/controller/Tracking: length 2.4
  Bottom w0.25: R202.2 81.11,56.47 U201.2
/converter/G1: length 34.8
  Top w0.25: 80.18,19.85 80.18,19.72 ; Q301.1 80.13,22.16 v1(79.73,22.56)
  In1.Cu w0.25: v1(79.73,22.56) 77.02,22.56 76.28,23.3 76.28,30 73.88,32.4 60.43,32.4 TP501.1
/converter/G2: length 26.1
  Top w0.25: 84.53,19.72 84.53,22.03 v1(84.94,22.44)
  In1.Cu w0.25: v1(84.94,22.44) 84.39,22.98 84.39,23.44 72.28,35.55 TP503.1
/converter/V_ARR-: length 6.4
  Bottom w0.25: IC401.5 17.48,31.53 17.23,31.28 17.23,28 16.83,27.6 v1(15.96,27.6)
  vias: v1(4.23,25.95) v1(4.23,17.95) v1(4.23,9.95) v1(6.48,15.35) v1(12.23,25.95) v1(12.23,9.95) v1(12.23,1.95) v1(20.23,9.95) v1(20.23,1.95)
/converter/V_BATT-: length 6.4
  Bottom w0.25: IC404.4 103.33,32.19 103.06,31.92 103.06,27.97 103.43,27.6 v1(104.18,27.6) R406.2
  vias: v1(100.23,9.95) v1(100.23,1.95) v1(108.23,25.95) v1(108.23,9.95) v1(108.23,1.95) v1(113.58,15.3) v1(116.23,25.95) v1(116.23,17.95) v1(116.23,9.95)
/V_ARR+: length 26.8
  Top w0.25: TP401.1 14.63,26.55 28.54,26.55 F301.2
  vias: v1(31.78,24.76) v1(32.49,25.47) v1(32.49,24.06) v1(32.73,21.45) v1(32.73,13.45) v1(33.2,24.76) v1(33.2,23.35) v1(33.9,24.06) v1(33.9,22.64) v1(34.61,23.35) v1(34.61,21.93) v1(35.32,22.64) v1(35.53,29.35) v1(40.73,29.45) v1(40.73,21.45) v1(48.73,29.45) v1(48.73,21.45) v1(48.73,13.45) v1(48.73,5.45) v1(56.73,29.45) v1(56.73,21.45) v1(56.73,13.45) v1(56.73,5.45) v1(64.73,29.45) v1(64.73,21.45)
/V_BATT+: length 41.7
  Top w0.25: TP407.1 105.48,26.5 91.76,26.5 F302.1
  Top w0.5: v1(83.1,15.13) v1(82.1,15.13) ; v1(83.1,16.88) v1(82.1,16.88) ; v1(83.1,18.58) v1(82.1,18.58)
  Top w0.7: v1(85.1,15.13) 82.15,15.13
  Bottom w0.25: v1(93.03,29.38) 93.02,29.38 R404.2
  Bottom w0.7: v1(82.1,15.13) v1(85.1,15.13) ; v1(82.1,18.58) v1(85.1,18.58) ; v1(82.1,16.88) v1(85.1,16.88)
  vias: v1(72.08,10.65) v1(72.08,9.9) v1(72.73,5.45) v1(73.08,10.65) v1(73.08,9.9) v1(74.08,10.65) v1(74.08,9.9) v1(75.08,10.65) v1(75.08,9.9) v1(76.08,10.65) v1(76.08,9.9) v1(77.08,10.65) v1(77.08,9.9) v1(80.73,5.45) v1(84.1,18.58) v1(84.1,16.88) v1(84.1,15.13) v1(88.73,29.45) v1(88.73,21.45) v1(88.73,13.45) v1(88.73,5.45)
/V_SW: length 29.2
  Top w0.25: 81.95,20.25 v1(81.83,20.12) 81.88,20.17 ; IC501.21 82.9,25.03 IC501.16 ; IC501.21 82.4,24.53 ; IC501.21 IC501.13 84.37,24.76 v1(84.94,25.33)
  Top w0.3: IC501.21 82.43,24.56 82.43,20.72 v1(81.83,20.12)
  Top w0.35: 81.85,16.03 v1(81,16.88) 81.8,17.68 81.8,17.73 81,18.53 v1(81,18.58) ; 81.85,16.03 81.85,15.98 v1(81,15.13) 81.01,15.14 81.39,15.14 81.43,15.17 81.43,15.55 81.4,15.58 81.4,16.04 ; 81.85,16.03 81.84,16.04 81.4,16.04 ; 81.4,16.04 81.4,18.59 ; 81.39,18.58 81.4,18.59 ; 81.39,18.58 v1(81,18.58) ; 81.39,18.58 81.39,19.69 v1(81.83,20.12) ; 81.4,18.59 81.4,19.29 ; 85.48,17.74 85.47,17.73 ; 85.47,16.03 85.48,16.04 ; v1(81,18.58) 81,18.7 81.79,19.49 81.89,19.49 81.5,19.49
  Top w0.7: 85.48,17.74 82.56,17.74 ; 85.48,16.04 82.56,16.04
  vias: v1(72.08,13.7) v1(72.08,12.95) v1(73.08,13.7) v1(73.08,12.95) v1(73.78,17.05) v1(74.08,13.7) v1(74.08,12.95) v1(75.08,13.7) v1(75.08,12.95) v1(76.08,13.7) v1(76.08,12.95) v1(76.18,20.15) v1(76.18,17.1) v1(77.08,13.7) v1(77.08,12.95) v1(80.33,18.58) v1(80.33,16.88) v1(80.33,15.13) v1(80.73,13.45) v1(81.5,19.35) v1(82.4,19.5)
Net-(D201-A): length 31
  Top w0.25: v1(79.38,52) 86.58,44.8 97.84,44.8 D201.2 ; v1(77.53,52) v1(72.43,52)
  Bottom w0.25: v1(79.38,52) v1(77.53,52) ; v1(72.43,52) 72.04,52 R201.1
Net-(D202-A): length 19.9
  Top w0.25: v1(81.11,53.13) 81.11,52.21 85.62,47.7 D202.2
Net-(D203-A): length 15.8
  Top w0.25: D203.2 97.9,50.54 86.2,50.54 v1(83.61,53.13)
Net-(D204-A): length 29.1
  Top w0.25: v1(79.38,50.45) 87.08,42.75 D204.2
  Bottom w0.25: R204.1 75.59,50.95 78.88,50.95 v1(79.38,50.45)
Net-(D205-A): length 52.3
  Top w0.25: D205.2 87.83,40.2 v1(79.38,48.65) ; v1(77.53,48.65) 54.48,48.65 v1(53.13,50)
  Bottom w0.25: v1(79.38,48.65) v1(77.53,48.65) ; v1(53.13,50) 53.13,53.12 R205.1
Net-(D501-A): length 2
  Top w0.25: v1(82.84,27.25) 82.24,27.25 81.4,26.42 IC501.17
Net-(D501-K): length 4.1
  Top w0.25: v1(84.94,24.38) 84.83,24.26 IC501.12
  Bottom w0.25: D501.1 84.14,24.25 84.82,24.25 v1(84.94,24.38)
Net-(D601-K3): length 39.8
  Top w0.25: J601.2 J602.2 ; v1(34.31,49.59) 32.25,49.59 v1(31.18,48.52)
  Bottom w0.25: C606.2 26.71,47.45 J602.2 ; C606.2 28.85,45.75 L602.1 ; C606.2 28.63,47.38 29.77,48.52 C608.2 v1(31.18,48.52) ; R601.2 34.2,54.56 v1(34.31,54.66) 35.77,54.66 38.58,51.85 D601.3 38.58,50.75 37.42,49.59 v1(34.31,49.59)
Net-(F301-Pad1):
  vias: v1(8.73,29.45) v1(8.73,21.45) v1(8.73,13.45) v1(8.73,5.45) v1(16.73,21.45) v1(16.73,13.45) v1(16.73,5.45) v1(24.73,29.45) v1(24.73,21.45) v1(24.73,13.45) v1(24.73,5.45)
Net-(F302-Pad2):
  vias: v1(96.73,29.45) v1(96.73,21.45) v1(96.73,13.45) v1(96.73,5.45) v1(104.73,29.45) v1(104.73,21.45) v1(104.73,13.45) v1(104.73,5.45) v1(112.73,29.45) v1(112.73,21.45) v1(112.73,5.45)
Net-(IC402-IN+): length 4.5
  Bottom w0.25: R401.1 33.34,31.21 R402.1 34.38,32.25 IC402.1
Net-(IC403-IN+): length 4.5
  Bottom w0.25: R405.1 93.03,31.22 R404.1 94.02,32.21 IC403.1
Net-(IC501-DHL): length 1.4
  Top w0.25: v1(78.55,24.25) 79.05,23.76 IC501.5
Net-(IC501-DLH): length 1.9
  Top w0.25: v1(78.55,23.25) 80.3,23.25 IC501.6
Net-(IC501-HO): length 2.1
  Top w0.25: IC501.10 82.95,23.31 84.8,23.31 v1(84.94,23.45)
Net-(IC501-LO): length 1.3
  Top w0.25: IC501.8 81.4,22.78 81.17,22.56 v1(80.75,22.56)
Net-(IC601-GNDISO_1): length 7.7
  Top w0.25: IC601.20 34.83,43.23 35.53,43.94 35.53,45.15 34.91,45.77 IC601.18 32.68,45.77 v1(32.48,45.58)
  Bottom w0.25: L602.2 31.19,45.58 v1(32.48,45.58)
Net-(IC601-RS): length 1.8
  Bottom w0.25: v1(34.3,53.4) 34.16,53.54 R601.1
Net-(IC601-VISOIN): length 26
  Top w0.25: J601.1 J602.1 ; IC601.16 31.94,48.31 v1(31.18,47.56) 30.05,46.42 v1(30.05,44.35)
  Bottom w0.25: v1(31.18,47.56) C608.1 ; J602.1 28.51,44.45 C606.1 28.85,44.35 v1(30.05,44.35)
Net-(IC601-VISOOUT): length 3.4
  Top w0.25: v1(32.48,44.62) 32.6,44.51 IC601.19
  Bottom w0.25: v1(32.48,44.62) 31.29,44.62 L601.2
Net-(JP601-A): length 5.9
  Bottom w0.25: JP601.1 28.78,54.59 28.78,51.05 R603.1
Net-(JP601-B): length 2.7
  Bottom w0.25: R602.1 30.48,51.09 JP601.2

## Copper pours and planes (outline as drawn; the poured copper is in the pictures)
+5V on Top, In1.Cu: 0.03,60 120.03,60 120.08,32.1 -0.02,32
GND on Bottom, In2.Cu: 0.03,60 120.03,60 120.08,32.1 -0.02,32
GND on Bottom, In2.Cu: 102.23,30.1 102.23,23.3 93.87,23.35 93.83,0 26.08,0 26.08,23.3 18.03,23.3 18.03,29.95
GND on Bottom, In2.Cu: 76.26,32.88 85.41,32.88 85.43,22.05 76.28,22.05
/converter/V_ARR- on Bottom, In2.Cu: 16.93,29.92 16.93,22.3 25.13,22.25 25.13,-0.05 -0.01,0 -0.01,30
/converter/V_BATT- on Bottom, In2.Cu: 103.28,29.9 103.28,22.3 94.93,22.3 94.93,0 120.06,0.05 120.06,30.05
/V_ARR+ on Top, In1.Cu: 67.93,30.05 67.88,-0.05 26.08,0 26.08,30.1
/V_BATT+ on Top, In1.Cu: 86.38,18.9 86.38,30.15 93.9,30.15 93.85,0.05 68.93,0.05 68.93,11.2 82.05,11.2 82.05,18.9
/V_BATT+ on Bottom, In2.Cu: 81.83,18.95 86.28,19.7 87.53,19.7 87.53,13 81.78,13
/V_SW on Top, In1.Cu: 84.08,21.3 75.33,21.3 75.33,30.05 68.93,30.05 68.93,12.5 81.55,12.53 81.58,19.33 84.08,19.3
Net-(F301-Pad1) on Top, In1.Cu: 25.13,30.05 25.13,-0.05 -0.02,0 -0.02,30
Net-(F302-Pad2) on Top, In1.Cu: 120.08,30.05 120.08,-0.05 94.93,0 94.93,30

Small or netless copper shapes (teardrops, artwork), in the pictures only: 4 on Top

## Text on the board
B.Silkscreen: LHR Solar Sunscatter / Gen 2 v0.2.0 Summer 2023 / Matthew Yu
User.Comments: Trace should not modify fill. / Used to remove DRC.
F.Fab: C304
F.Silkscreen: LHRS Sunscatter Gen 2 v0.2.0
